# KiCad board latentpink.kicad_pcb (continued)
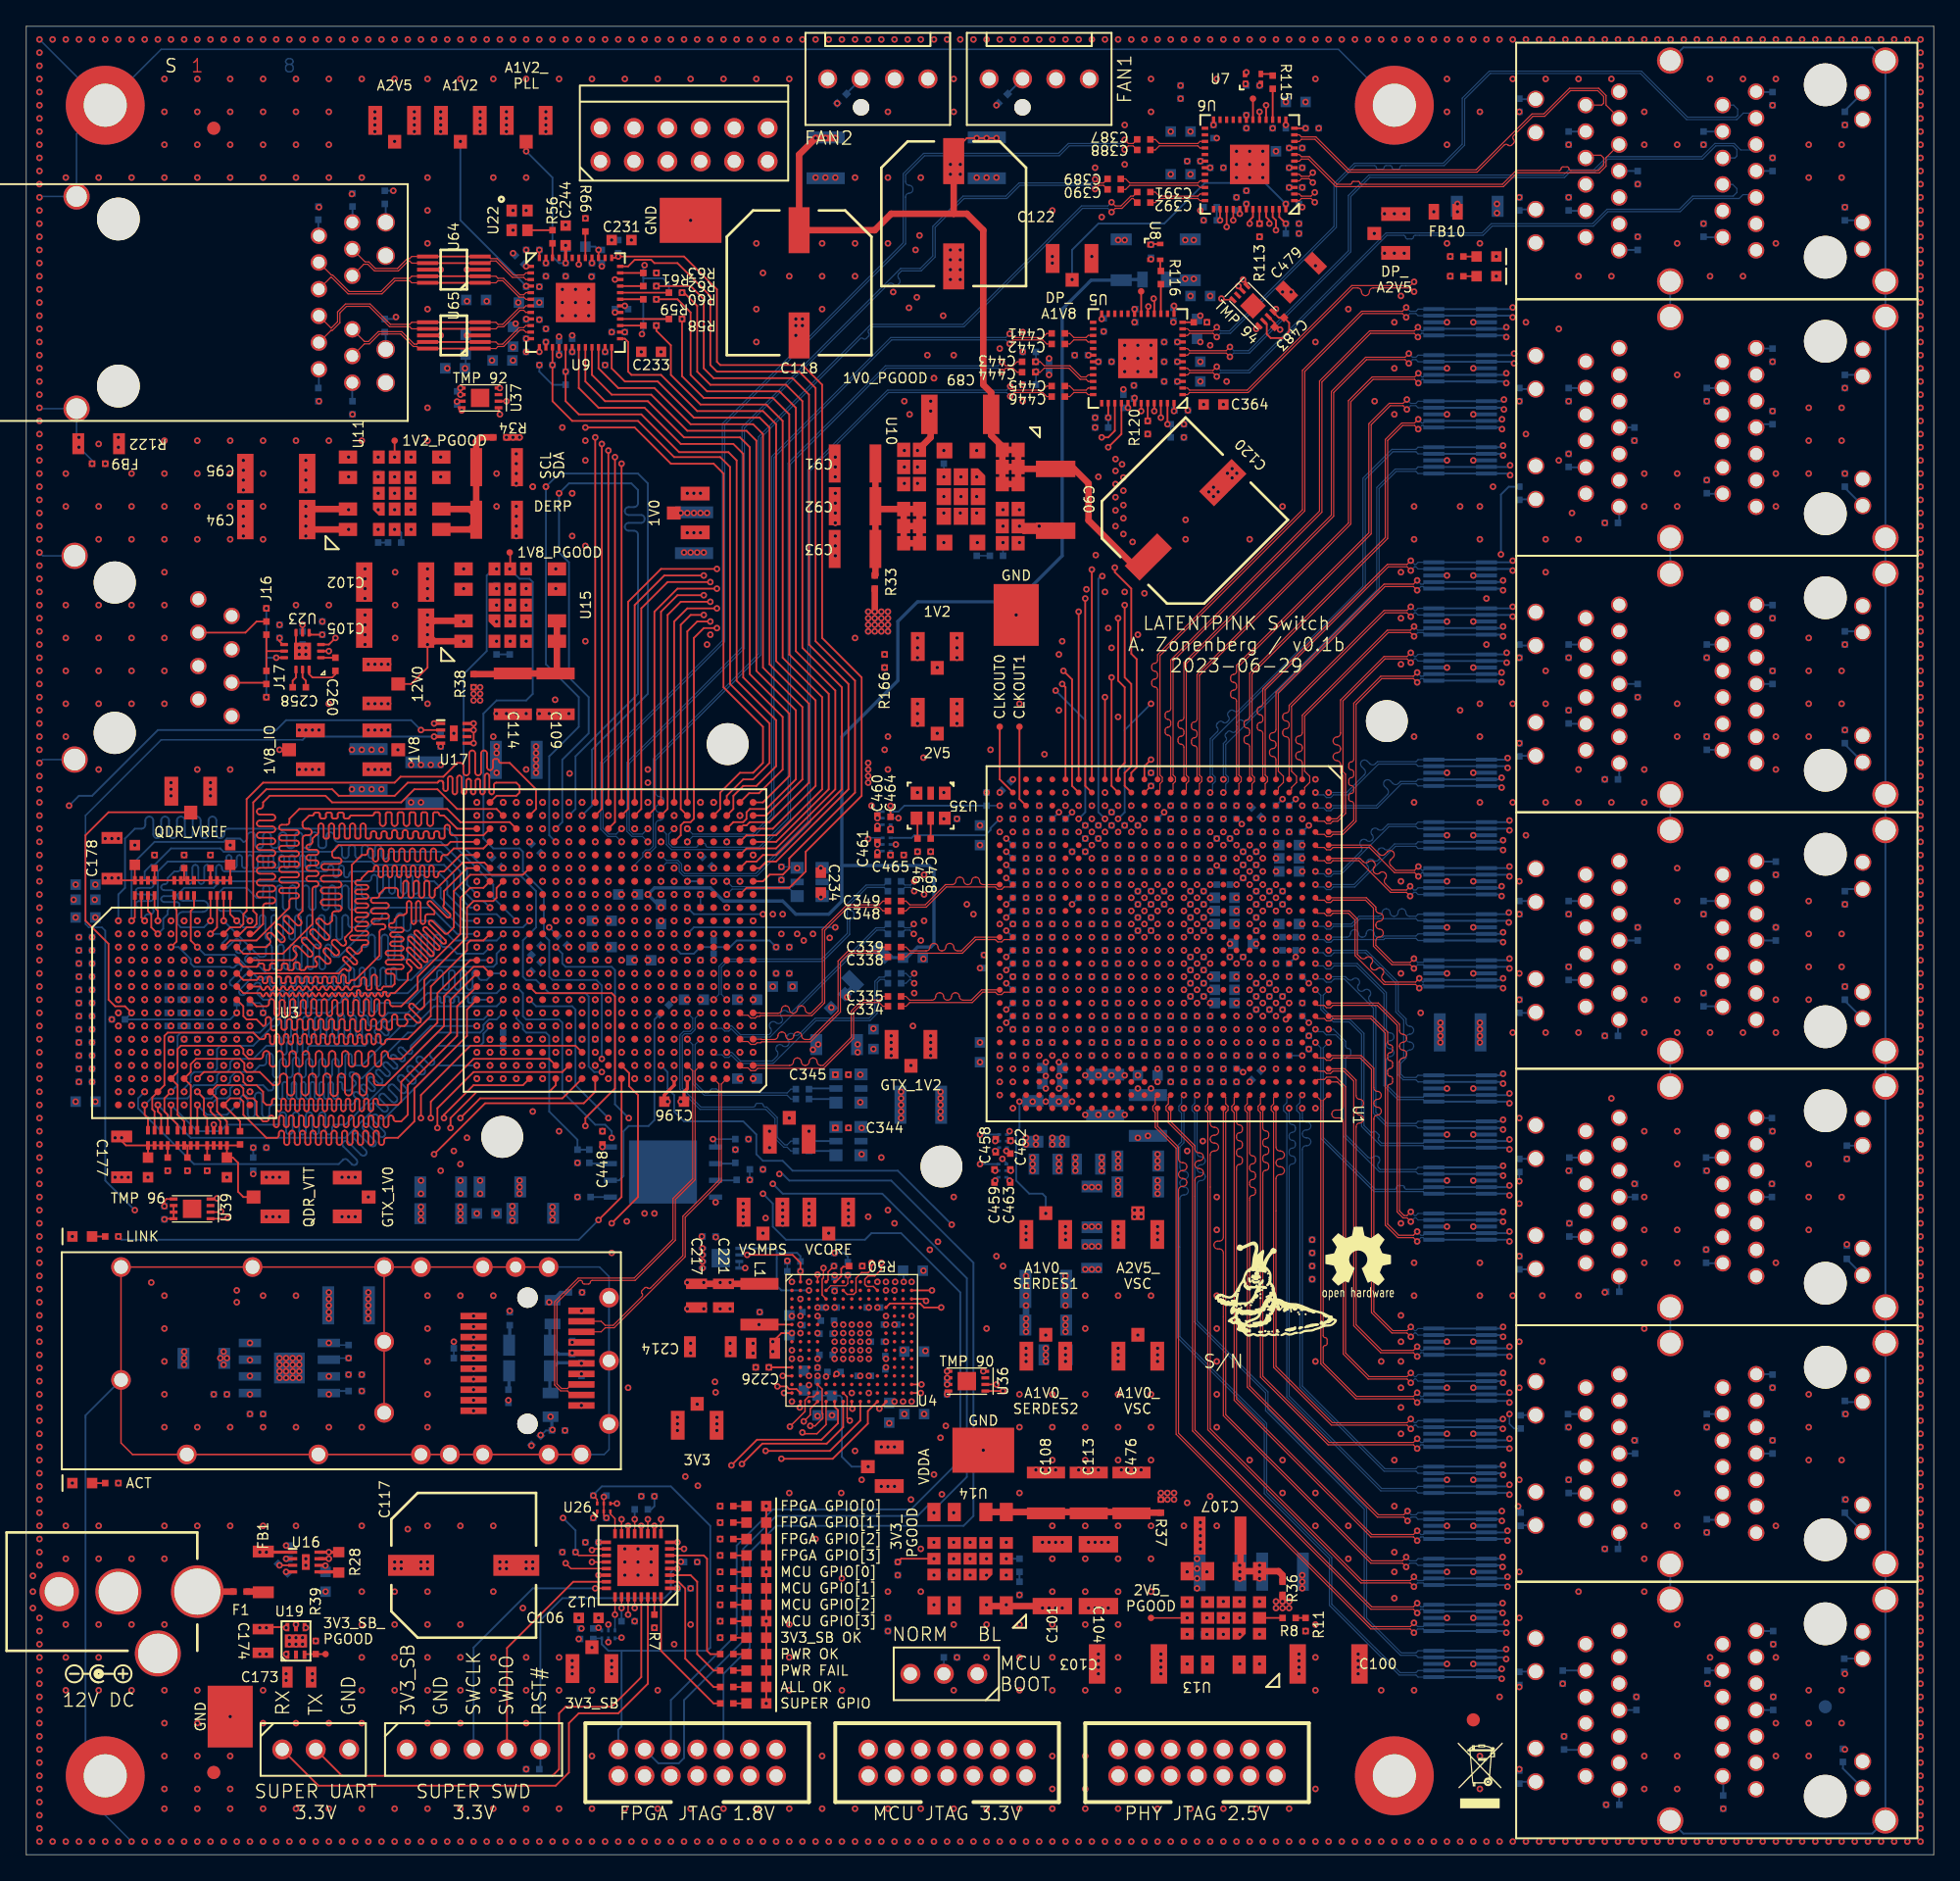
[diagram p0: board, top side]
## Routing (per net, layer and track width the routed paths; a pad name or vN(x,y) marks a point on that pad's centre or on a via; arc(x,y) is an arc through that point) (continued)
/Management/RGMII PHY/A1V2: length 17.8
  Top w0.14: U9.4 v1(38,119.25) ; U9.9 v1(38,116.75)
  In4.Cu w0.14: v1(37.4,118) 38,118 ; 38,118 v1(38,119.25) ; 38,118 v1(38,116.75) 37.55,116.75 v1(37.2,116.4)
  Bottom w0.14: v1(38,119.25) 33,124.25 v1(33,130.25)
/Management/RGMII PHY/A1V2_PLL: length 12.1
  Top w0.115: TP29.1 v1(38,129.5)
  Top w0.14: U9.44 v1(41,121)
  Top w0.25: U9.44 v1(41,122.35)
  Bottom w0.14: v1(41,121) 40.5,121 40,121.5 40,127.5 v1(38,129.5)
/Management/RGMII PHY/A2V5: length 33.7
  Top w0.14: U9.12 v1(38,115.25) ; U9.1 v1(38,120.75) ; U64.3 v1(33.5,120.5) ; v1(39.5,121) U9.47 ; U65.3 v1(33.5,115.5)
  In3.Cu w0.115: 28.5,129.75 33.25,129.75 33.5,129.5 33.5,124.5
  In3.Cu w0.14: v1(39.5,121) 39.25,120.75 v1(38,120.75) 37.75,120.5 v1(33.5,120.5) ; v1(38,115.25) 37.75,115.5 v1(33.5,115.5) v1(33.5,118.1) v1(33.5,120.5) ; v1(33.5,120.5) 33.5,124.5 ; 28.5,129.75 v1(28,130.25)
/Power Supply/1V0_EN: length 104.8
  Top w0.115: U12.11 v1(47.25,25.5)
  In2.Cu w0.115: v1(47.25,25.5) 47.25,28.75 47.75,29.25 v1(47.75,48.75) ; v1(65.5,49) 65.5,57.75 66.5,58.75 67.5,58.75 68,59.25 68,63.25 69.25,64.5 69.25,77 68.75,77.5 68.75,83.5 68.5,83.75 68.5,92.5 70.5,94.5 70.5,98.25
  In2.Cu w0.14: 70.5,98.25 70.5,105.5 69.75,106.25 v1(69.75,106.75)
  In5.Cu w0.115: v1(65.5,49) 64.5,50 56.5,50 56.25,49.75 55.5,49.75 55.25,50 49,50 v1(47.75,48.75)
/Power Supply/1V0_PGOOD: length 115.3
  Top w0.115: U12.12 v1(46.75,25)
  In2.Cu w0.115: v1(66,48) 66,54.25 68.75,57 68.75,58.75 69.75,59.75 69.75,77.5 69.25,78 69.25,81.5 70,82.25 70,93 71.5,94.5 71.5,98.5 ; v1(47,48.75) 47,29.25 46.75,29 v1(46.75,27.25) ; v1(69,112.25) 72,109.25 72,107 v1(72.25,106.75)
  In2.Cu w0.14: 71.5,98.5 71.5,106 v1(72.25,106.75)
  In5.Cu w0.115: v1(46.75,25) v1(46.75,27.25) ; v1(66,48) 66,50.25 65.75,50.5 56.5,50.5 56.25,50.75 49,50.75 v1(47,48.75)
/Power Supply/1V0_RAW: length 19.6
  Top w0.5: U10.18 U10.20 U10.17 U10.15 U10.18 ; U10.18 64.76,102.3 C92.1 ; U10.16 U10.19 ; R33.2 64.55,97.3 C93.1 C91.1
/Power Supply/1V0_SENSE: length 62.4
  In2.Cu w0.115: v1(39.75,70.5) 39.75,71.5 40.75,72.5 41.5,72.5 41.75,72.75 41.75,74.35 41.9,74.5 42.5,74.5 42.8,74.8 42.8,76.3 41.75,77.35 41.75,100 v1(41.5,100.25)
  In5.Cu w0.115: v1(69.75,99.75) 68.8,100.7 52.6,100.7 52.2,101.1 42.35,101.1 v1(41.5,100.25)
  Bottom w0.115: R35.1 v1(39.75,70.5)
/Power Supply/1V2_EN: length 139.2
  Top w0.115: U12.15 v1(45.25,25.5)
  In5.Cu w0.115: v1(26.75,106.25) 25.75,106.25 25,105.5 23.75,105.5 23.5,105.25 23.5,98.25 22.5,97.25 11,97.25 9.5,95.75 9.5,83 2.5,76 2.5,49.5 4.75,47.25 4.75,29.25 6.75,27.25 39.5,27.25 40.5,26.25 44.5,26.25 v1(45.25,25.5)
/Power Supply/1V2_PGOOD: length 141.7
  Top w0.115: U12.13 v1(46.25,25.5)
  Top w0.14: v1(28,106.25) TP1.1
  In5.Cu w0.115: v1(46.25,25.5) 46.25,26.5 45,27.75 8.25,27.75 5.5,30.5 5.5,47.5 3,50 3,76 10,83 10,95.5 11.25,96.75 23.25,96.75 25.25,98.75 25.25,104.75 26,105.5 27.75,105.5 28,105.75 v1(28,106.25)
  Bottom w0.14: v1(46.25,25.5) R16.1
/Power Supply/1V2_RAW: length 13.1
  Top w0.5: 34.2,101.2 33.75,100.75 U11.6 ; C96.1 C97.1 34.2,107.45 34.5,107.75 R34.2 ; U11.7 33.7,102.3 34.2,101.8
/Power Supply/1V2_SENSE: length 44.2
  In2.Cu w0.115: v1(42.5,92.25) v1(42.5,99.5)
  In5.Cu w0.115: v1(29.25,100.75) 30.5,99.5 v1(42.5,99.5) ; v1(42.5,92.25) 43.5,91.25 v1(65.25,91.25)
/Power Supply/1V8_EN: length 96.7
  Top w0.115: U12.10 v1(47.75,25)
  In2.Cu w0.115: v1(47.75,25) 47.75,24.65 47.5,24.4 39.8,24.4 36.5,27.7 36.5,33.2 38.75,35.45 38.75,39.75 41,42 41,47.5 43.25,49.75 43.25,59 v1(43.75,59.5)
  Bottom w0.14: v1(35.75,97.75) 35.5,97.75 35,97.25 35,91.5 33.25,89.75 33.25,76.58 35.41,74.41 37.59,74.41 38.75,73.25 38.75,70.5 37.75,69.5 37.75,66.75 38,66.5 38.75,66.5 39.75,65.5 42.5,65.5 42.75,65.25 42.75,59.92 43.17,59.5 v1(43.75,59.5)
/Power Supply/1V8_IO_EN: length 131.8
  Top w0.115: U12.26 v1(45.25,18.75)
  Top w0.14: U17.2 v1(30,85.5)
  In2.Cu w0.115: v1(3.25,79.75) 2.75,79.25 2.75,30.5 9.25,24 31.5,24 32.75,22.75 32.75,19.5 33.5,18.75 v1(37.75,18.75)
  In5.Cu w0.115: v1(37.75,18.75) v1(45.25,18.75)
  Bottom w0.14: v1(30,85.5) 29.25,86.25 19.75,86.25 19,85.5 10,85.5 5,80.5 4,80.5 v1(3.25,79.75) ; R31.1 v1(45.25,18.75)
/Power Supply/1V8_PGOOD: length 93.2
  Top w0.115: v1(41.75,23) 42,22.75 U12.19
  Top w0.14: U15.11 36.79,98.96
  In2.Cu w0.115: v1(40.8,25.6) 40.8,31 40.5,31.3 40.5,34.5 39.75,35.25 39.75,39.5 41.5,41.25 41.5,47 45.25,50.75 45.25,54.75 44.75,55.25 44.75,59.75 44,60.5 v1(43.75,60.5)
  Bottom w0.14: v1(40.8,25.6) 41.75,24.65 v1(41.75,23) ; v1(43.75,60.5) 43.75,66.08 43.33,66.5 40,66.5 39.75,66.75 39.75,69.5 39.34,69.91 39.34,73.16 37.75,74.75 37.75,76.25 37.5,76.5 35.5,76.5 34.75,77.25 34.75,86.75 35.75,87.75 38,87.75 38.5,88.25 38.5,96.75 38.25,97 37.5,97 v1(36.75,97.75)
/Power Supply/1V8_RAW: length 10.1
  Top w0.5: U15.7 40.34,89.9 ; R38.2 36.94,89.75 ; C109.1 C114.1
/Power Supply/2V5_EN: length 48
  Top w0.115: v1(49.5,23.75) U12.8
  In2.Cu w0.115: v1(49.25,16) 49,16.25 49,23.25 v1(49.5,23.75)
  In5.Cu w0.115: v1(88.25,16.75) 87.5,16 v1(49.25,16)
/Power Supply/2V5_PGOOD: length 50.9
  Top w0.115: v1(88.25,18) TP3.1
  Top w0.14: U12.20 v1(43,22.25)
  In5.Cu w0.115: v1(43,22.25) 43.5,21.75 48.25,21.75 49,21 59.5,21 62.5,18 v1(65.5,18) v1(88.25,18)
/Power Supply/2V5_RAW: length 7.2
  Top w0.5: R36.2 95.5,21.25 95.2,21.55 U13.6 U13.7 ; v1(92.25,21) 92.3,21.05 C107.1
  vias: v1(92.25,22) v1(92.25,21.5) v1(93.75,22) v1(93.75,21.5) v1(93.75,21)
/Power Supply/3V3_EN: length 21.8
  Top w0.14: U12.7 v1(50,23.25)
  In2.Cu w0.115: v1(69,21.25) 68,22.25 v1(68,23.25)
  In5.Cu w0.115: v1(50,23.25) v1(68,23.25)
  Bottom w0.14: R23.1 v1(69,21.25)
/Power Supply/3V3_PGOOD: length 30.7
  Top w0.14: v1(69,22.5) 66.5,22.5 v1(66.25,22.25) ; U12.18 43.09,23.25 v1(43,23.16)
  In5.Cu w0.115: v1(43,23.16) 43.41,22.75 51.75,22.75 52.25,22.25 53.75,22.25 54.25,22.75 68.75,22.75 v1(69,22.5)
/Power Supply/3V3_RAW: length 13.1
  Top w0.5: R37.2 84.06,26 ; U14.7 83.91,26.05
/Power Supply/3V3_SB_PGOOD: length 1.5
  Top w0.14: TP16.1 R39.1 21.2,15.25
/Power Supply/12V0_BLEED: length 1.5
  Top w0.25: U16.5 23.7,21.5
/Power Supply/12V0_EN: length 25.7
  Top w0.14: U16.2 v1(19.75,22.5) ; U12.22 v1(43.5,21.25)
  In5.Cu w0.115: v1(19.75,22.5) 21.15,21.1 43.35,21.1 v1(43.5,21.25)
  Bottom w0.14: R29.1 v1(19.75,22.5)
/Power Supply/12V0_FUSED: length 18.5
  Top w0.14: 19.8,17.3 v1(19.75,17.25) ; 18.3,17.3 U19.6 ; 21.2,17.3 v1(21.25,17.25)
  Top w0.25: v1(17.75,23) U16.1
  In3.Cu w0.14: v1(18.25,23) 17.75,22.5 v1(17.75,17.25) ; v1(17.75,17.25) v1(18.25,17.25) ; v1(17.75,17.25) v1(19.75,17.25) 19.91,17.09 21.09,17.09 v1(21.25,17.25)
  In3.Cu w0.25: v1(17.75,23) 20.75,23 v1(21.25,22.5) v1(21.25,22)
/Power Supply/12V0_RAW: length 2.8
  Top w0.5: F1.1 J6.1
/QSGMII PHY/QSGMII Power/A1V0_VSC: length 91.8
  In4.Cu w0.115: 83.5,55.5 84,56 84,59.5 84.5,60 84.5,60.81 84.94,61.25 88.25,61.25 ; v1(84.5,39.5) 82.25,41.75 82.25,48.5
  In4.Cu w0.14: v1(91,62.75) v1(91,60.75) v1(90,60.75) 90,61.25 ; v1(91,62.75) v1(90,62.75) ; v1(91,62.75) 91.5,63.25 91.5,64 91.75,64.25 92.5,64.25 v1(93,64.75) v1(95,64.75) v1(95,65.75) 93.5,65.75 ; v1(93.5,72.25) 92.75,72.25 92.5,72 92.5,71.25 ; v1(93.5,72.25) 93.5,72.75 ; v1(93.5,72.25) v1(93.5,71.25) ; 88.25,61.25 90,61.25 ; 90,61.25 v1(90,62.75) ; 82.25,48.5 81.5,49.25 v1(81.5,50.75) ; v1(92.5,76.25) 91,76.25 ; 91,76.25 91,77.25 ; 91,76.25 v1(91,75.75) ; v1(94.5,73.25) 94.5,72.75 ; 94.5,72.75 v1(95,72.75) ; 94.5,72.75 93.5,72.75 ; v1(90,62.75) 89.5,63.25 89.5,65 ; v1(90.5,77.25) 91,77.25 ; 91,77.25 v1(91,77.75) ; v1(88.5,67.25) v1(89.5,67.25) 93.5,67.25 ; 93.5,68.25 93.5,67.25 ; 93.5,68.25 v1(92.5,68.25) ; 93.5,68.25 93.5,69.5 92.5,70.5 92.5,71.25 ; 93.5,67.25 93.5,65.75 ; 92.5,71.25 v1(89.5,71.25) v1(88.5,71.25) ; v1(91,75.75) 91,73.25 ; v1(91,75.75) v1(90,75.75) v1(90,77.75) ; 91,73.25 v1(89.5,73.25) v1(88.5,73.25) ; 91,73.25 93,73.25 ; v1(95,72.75) v1(95,73.75) v1(93,73.75) 93,73.25 ; v1(95,72.75) v1(95.5,72.25) ; v1(80.5,50.75) v1(81.5,50.75) ; v1(81.5,50.75) 81.75,51 v1(81.75,52) 81.75,55 82.25,55.5 83.5,55.5 ; 93,73.25 v1(93,72.75) 93.5,72.75 ; v1(93,65.75) 93.5,65.75 ; v1(94.5,65.25) v1(95.5,65.25) ; v1(93.5,74.25) v1(94,73.75) ; v1(88.5,65.25) v1(89.5,65.25) ; v1(94,64.75) v1(93.5,64.25)
  vias: v1(81,50.75) v1(81.75,53) v1(81.75,52.5) v1(90,76.75) v1(90,61.75) v1(91,76.75) v1(91,61.75) v1(93.5,69.25) v1(93.5,66.25) v1(94,72.75) v1(94,65.75)
/QSGMII PHY/QSGMII Power/A1V0_VSC_SERDES1: length 34.1
  In3.Cu w0.14: 77.5,60.5 v1(77.5,58.25) v1(77.5,57.25) v1(79.5,57.25) ; 77.5,60.5 77.5,61.25 v1(77,61.75) v1(77,76.75) ; 77.5,60.5 v1(77.5,60.25)
  Bottom w0.14: v1(77.5,48.75) 77.5,50 77.25,50.25 76.25,50.25 75.25,51.25 75.25,55 75.5,55.25 v1(75.5,57.25) v1(77.5,57.25)
  vias: v1(76.5,57.25) v1(77,75.75) v1(77,74.75) v1(77,73.75) v1(77,72.75) v1(77,71.75) v1(77,70.75) v1(77,69.75) v1(77,68.75) v1(77,67.75) v1(77,66.75) v1(77,65.75) v1(77,64.75) v1(77,63.75) v1(77,62.75) v1(77.5,59.2) v1(78.5,57.25)
/QSGMII PHY/QSGMII Power/A1V0_VSC_SERDES2: length 47.7
  In3.Cu w0.14: 73.25,61.75 v1(76,61.75) v1(76,76.75) v1(72.5,76.75) ; 73.25,61.75 73.25,46.75 v1(76,44) v1(76,39.75) 77.25,39.75 v1(77.5,39.5) ; 73.25,61.75 v1(72.5,61.75)
  Bottom w0.5: v1(76,41.75) v1(76,40.75)
  vias: v1(76,75.75) v1(76,74.75) v1(76,73.75) v1(76,72.75) v1(76,71.75) v1(76,70.75) v1(76,69.75) v1(76,68.75) v1(76,67.75) v1(76,66.75) v1(76,65.75) v1(76,64.75) v1(76,63.75) v1(76,62.75) v1(76,43.25) v1(76,42.5) v1(76,40.25)
/QSGMII PHY/QSGMII Power/A2V5_VSC: length 78
  In3.Cu w0.115: v1(94,63.75) v1(94,62.75) 94.43,62.32 94.43,61.18 v1(94,60.75)
  In3.Cu w0.14: v1(88,77.75) v1(88,78.75) v1(88,79.75) 88.5,80.25 90.5,80.25 v1(91,79.75) 91,79.25 ; v1(84.5,59.25) v1(85.5,58.25) 86,57.75 v1(86,52.25) ; v1(84.5,59.25) v1(84.5,58.25) ; v1(84.5,59.25) 88,59.25 ; v1(94,70.75) v1(94,71.75) v1(96,71.75) 96,74.5 95.75,74.75 v1(95,74.75) ; v1(94,70.75) v1(94,67.75) ; v1(94,70.75) v1(95,70.75) ; v1(96,77.75) 96,75.75 v1(95,74.75) ; v1(96,77.75) v1(96,78.75) v1(94,78.75) 93.5,79.25 91,79.25 ; v1(96,77.75) v1(94,77.75) ; v1(95,60.75) v1(95,59.75) 93.5,59.75 93.25,60 91.75,60 91.5,59.75 v1(91,59.75) 91,59.25 ; v1(94,63.75) v1(95,63.75) ; v1(94,67.75) v1(94,66.75) v1(96,66.75) 96.5,66.25 96.5,62.5 96.18,62.18 94.43,62.18 ; v1(94,67.75) v1(95,67.75) ; v1(88,60.75) 88,59.25 ; 88,59.25 91,59.25 ; 88,59.25 v1(88,58.75) ; 91,59.25 v1(91,58.75) ; v1(84.75,49) v1(84.75,48.5) v1(84.25,48.5) v1(84.25,49) v1(84.75,49) ; v1(84.75,49) 84.75,51 v1(86,52.25) ; v1(94,75.75) v1(94,74.75) v1(95,74.75) ; 91,79.25 v1(91,78.75) ; v1(94,60.75) v1(94,59.75) ; v1(86,52.25) v1(86,53.25)
  Bottom w0.14: 85,57.75 v1(84.5,58.25) ; 85.26,58.01 v1(85.5,58.25)
  vias: v1(86,52.75) v1(88,59.75) v1(95,78.75) v1(95,77.75) v1(95,71.75) v1(95,66.75)
/CHGND: length 566.9
  Top w0.115: J2.1 J2.1 8.07,30.43 7.2,31.3 J2.1 J2.1 J2.1 ; J2.1 J2.1
  Bottom w0.115: J2.1 44.3,43.95 43.57,44.68 J2.1 ; 3.67,98.75 1.25,98.75 v1(1,99) ; v1(1,126) 1.06,126.06 J5.17 3.82,130.82 M4.1 ; M4.1 10.25,137.25 99.75,137.25 M5.1 ; M4.1 v1(1,138) ; v1(1,110) 1.06,109.94 J5.17 3.82,107.18 v1(4,107) 5,106 v1(5,105.75) ; J2.1 44.3,30.8 43.93,30.43 J2.1 ; J7.9 1.26,83.25 v1(1,83) ; v1(8,1) 6,3 M6.1
  Bottom w0.14: 124.97,119.6 124.97,118.28 ; 124.97,118.28 141.28,118.28 141.33,118.33 ; 124.97,118.28 124.97,116.9 ; 124.97,59.78 141.28,59.78 141.33,59.83 ; 124.97,59.78 J19.SHLD ; 124.97,59.78 J18.SHLD ; 141.34,20.76 141.34,19.4 ; 141.34,20.76 141.34,21.16 ; 141.34,20.76 125.09,20.76 124.97,20.88 ; 141.33,79.33 141.33,59.83 ; 141.33,79.33 141.28,79.28 124.97,79.28 ; 141.33,79.33 141.33,98.83 ; 141.33,59.83 141.33,38.9 ; 124.97,20.88 124.97,19.4 ; 124.97,20.88 J8.SHLD ; 124.97,40.28 141.28,40.28 141.34,40.33 ; 124.97,40.28 J8.SHLD ; 124.97,40.28 J18.SHLD ; 124.97,98.78 141.28,98.78 141.33,98.83 ; 124.97,98.78 124.97,100.1 ; 124.97,98.78 124.97,97.4 ; 141.34,40.33 141.34,21.16 ; 141.34,40.33 141.34,41.61 ; 141.34,21.16 141.34,22.1 ; J4.SHLD J4.SHLD 140.33,1.6 125.97,1.6 J4.SHLD ; 141.33,118.33 J22.SHLD 140.33,137.4 125.97,137.4 J22.SHLD ; 141.33,118.33 141.33,98.83 ; 4.5,7.5 4.5,33.4 J2.1 ; J2.1 J2.1 ; 124.97,79.28 J19.SHLD ; 124.97,79.28 J20.SHLD
  vias: v1(0.5,21.2) v1(0.5,20) v1(0.5,18.75) v1(1,137) v1(1,136) v1(1,135) v1(1,134) v1(1,133) v1(1,132) v1(1,131) v1(1,130) v1(1,129) v1(1,128) v1(1,127) v1(1,125) v1(1,124) v1(1,123) v1(1,122) v1(1,121) v1(1,120) v1(1,119) v1(1,118) v1(1,117) v1(1,116) v1(1,115) v1(1,114) v1(1,113) v1(1,112) v1(1,111) v1(1,109) v1(1,108) v1(1,107) v1(1,106) v1(1,105) v1(1,104) v1(1,103) v1(1,102) v1(1,101) v1(1,100) v1(1,98) v1(1,97) v1(1,96) v1(1,95) v1(1,94) v1(1,93) v1(1,92) v1(1,91) v1(1,90) v1(1,89) v1(1,88) v1(1,87) v1(1,86) v1(1,85) v1(1,84) v1(1,82) v1(1,81) v1(1,80) v1(1,79) v1(1,78) v1(1,77) v1(1,76) v1(1,75) v1(1,74) v1(1,73) v1(1,72) v1(1,71) v1(1,70) v1(1,69) v1(1,68) v1(1,67) v1(1,66) v1(1,65) v1(1,64) v1(1,63) v1(1,62) v1(1,61) v1(1,60) v1(1,59) v1(1,58) v1(1,57) v1(1,56) v1(1,55) v1(1,54) v1(1,53) v1(1,52) v1(1,51) v1(1,50) v1(1,49) v1(1,48) v1(1,47) v1(1,46) v1(1,45) v1(1,44) v1(1,43) v1(1,42) v1(1,41) v1(1,40) v1(1,39) v1(1,38) v1(1,37) v1(1,36) v1(1,35) v1(1,34) v1(1,33) v1(1,32) v1(1,31) v1(1,30) v1(1,29) v1(1,28) v1(1,27) v1(1,26) v1(1,25) v1(1,24) v1(1,23) v1(1,22) v1(1,18) v1(1,17) v1(1,16) v1(1,15) v1(1,14) v1(1,13) v1(1,12) v1(1,11) v1(1,10) v1(1,9) v1(1,8) v1(1,7) v1(1,6) v1(1,5) v1(1,4) v1(1,3) v1(1,2) v1(1,1) v1(2,138) v1(2,1) v1(3,138) v1(3,1) v1(4,138) v1(4,107.75) v1(4,1) v1(5,138) v1(5,1) v1(6,138) v1(6,1) v1(7,138) v1(7,1) v1(8,138) v1(9,138) v1(9,1) v1(10,138) v1(10,1) v1(11,138) v1(11,1) v1(12,138) v1(12,1) v1(13,138) v1(13,1) v1(14,138) v1(14,1) v1(15,138) v1(15,1) v1(16,138) v1(16,1) v1(17,138) v1(17,1) v1(18,138) v1(18,1) v1(19,138) v1(19,1) v1(20,138) v1(20,1) v1(21,138) v1(21,1) v1(22,138) v1(22,1) v1(23,138) v1(23,1) v1(24,138) v1(24,1) v1(25,138) v1(25,1) v1(26,138) v1(26,1) v1(27,138) v1(27,1) v1(28,138) v1(28,1) v1(29,138) v1(29,1) v1(30,138) v1(30,1) v1(31,138) v1(31,1) v1(32,138) v1(32,1) v1(33,138) v1(33,1) v1(34,138) v1(34,1) v1(35,138) v1(35,1) v1(36,138) v1(36,1) v1(37,138) v1(37,1) v1(38,138) v1(38,1) v1(39,138) v1(39,1) v1(40,138) v1(40,1) v1(41,138) v1(41,1) v1(42,138) v1(42,1) v1(43,138) v1(43,1) v1(44,138) v1(44,1) v1(45,138) v1(45,1) v1(46,138) v1(46,1) v1(47,138) v1(47,1) v1(48,138) v1(48,1) v1(49,138) v1(49,1) v1(50,138) v1(50,1) v1(51,138) v1(51,1) v1(52,138) v1(52,1) v1(53,138) v1(53,1) v1(54,138) v1(54,1) v1(55,138) v1(55,1) v1(56,138) v1(56,1) v1(57,138) v1(57,1) v1(58,138) v1(58,1) v1(59,138) v1(59,1) v1(60,138) v1(60,1) v1(61,138) v1(61,1) v1(62,138) v1(62,1) v1(63,138) v1(63,1) v1(64,138) v1(64,1) v1(65,138) v1(65,1) v1(66,138) v1(66,1) v1(67,138) v1(67,1) v1(68,138) v1(68,1) v1(69,138) v1(69,1) v1(70,138) v1(70,1) v1(71,138) v1(71,1) v1(72,138) v1(72,1) v1(73,138) v1(73,1) v1(74,138) v1(74,1) v1(75,138) v1(75,1) v1(76,138) v1(76,1) v1(77,138) v1(77,1) v1(78,138) v1(78,1) v1(79,138) v1(79,1) v1(80,138) v1(80,1) v1(81,138) v1(81,1) v1(82,138) v1(82,1) v1(83,138) v1(83,1) v1(84,138) v1(84,1) v1(85,138) v1(85,1) v1(86,138) v1(86,1) v1(87,138) v1(87,1) v1(88,138) v1(88,1) v1(89,138) v1(89,1) v1(90,138) v1(90,1) v1(91,138) v1(91,1) v1(92,138) v1(92,1) v1(93,138) v1(93,1) v1(94,138) v1(94,1) v1(95,138) v1(95,1) v1(96,138) v1(96,1) v1(97,138) v1(97,1) v1(98,138) v1(98,1) v1(99,138) v1(99,1) v1(100,138) v1(100,1) v1(101,138) v1(101,1) v1(102,138) v1(102,1) v1(103,138) v1(103,1) v1(104,138) v1(104,1) v1(105,138) v1(105,1) v1(106,138) v1(106,1) v1(107,138) v1(107,1) v1(108,138) v1(108,1) v1(109,138) v1(109,1) v1(110,138) v1(110,1) v1(111,138) v1(111,1) v1(112,138) v1(112,1) v1(113,138) v1(113,1) v1(114,138) v1(114,1) v1(115,138) v1(115,1) v1(116,138) v1(116,1) v1(117,138) v1(117,1) v1(118,138) v1(118,1) v1(119,138) v1(119,1) v1(120,138) v1(120,1) v1(121,138) v1(121,1) v1(122,138) v1(122,1) v1(123,138) v1(123,1) v1(124,138) v1(124,1) v1(125,138) v1(125,1) v1(126,138) v1(126,1) v1(127,138) v1(127,1) v1(128,138) v1(128,1) v1(129,138) v1(129,1) v1(130,138) v1(130,1) v1(131,138) v1(131,1) v1(132,138) v1(132,1) v1(133,138) v1(133,1) v1(134,138) v1(134,1) v1(135,138) v1(135,1) v1(136,138) v1(136,1) v1(137,138) v1(137,1) v1(138,138) v1(138,1) v1(139,138) v1(139,1) v1(140,138) v1(140,1) v1(141,138) v1(141,1) v1(142,138) v1(142,1) v1(143,138) v1(143,1) v1(144,138) v1(144,137) v1(144,136) v1(144,135) v1(144,134) v1(144,133) v1(144,132) v1(144,131) v1(144,130) v1(144,129) v1(144,128) v1(144,127) v1(144,126) v1(144,125) v1(144,124) v1(144,123) v1(144,122) v1(144,121) v1(144,120) v1(144,119) v1(144,118) v1(144,117) v1(144,116) v1(144,115) v1(144,114) v1(144,113) v1(144,112) v1(144,111) v1(144,110) v1(144,109) v1(144,108) v1(144,107) v1(144,106) v1(144,105) v1(144,104) v1(144,103) v1(144,102) v1(144,101) v1(144,100) v1(144,99) v1(144,98) v1(144,97) v1(144,96) v1(144,95) v1(144,94) v1(144,93) v1(144,92) v1(144,91) v1(144,90) v1(144,89) v1(144,88) v1(144,87) v1(144,86) v1(144,85) v1(144,84) v1(144,83) v1(144,82) v1(144,81) v1(144,80) v1(144,79) v1(144,78) v1(144,77) v1(144,76) v1(144,75) v1(144,74) v1(144,73) v1(144,72) v1(144,71) v1(144,70) v1(144,69) v1(144,68) v1(144,67) v1(144,66) v1(144,65) v1(144,64) v1(144,63) v1(144,62) v1(144,61) v1(144,60) v1(144,59) v1(144,58) v1(144,57) v1(144,56) v1(144,55) v1(144,54) v1(144,53) v1(144,52) v1(144,51) v1(144,50) v1(144,49) v1(144,48) v1(144,47) v1(144,46) v1(144,45) v1(144,44) v1(144,43) v1(144,42) v1(144,41) v1(144,40) v1(144,39) v1(144,38) v1(144,37) v1(144,36) v1(144,35) v1(144,34) v1(144,33) v1(144,32) v1(144,31) v1(144,30) v1(144,29) v1(144,28) v1(144,27) v1(144,26) v1(144,25) v1(144,24) v1(144,23) v1(144,22) v1(144,21) v1(144,20) v1(144,19) v1(144,18) v1(144,17) v1(144,16) v1(144,15) v1(144,14) v1(144,13) v1(144,12) v1(144,11) v1(144,10) v1(144,9) v1(144,8) v1(144,7) v1(144,6) v1(144,5) v1(144,4) v1(144,3) v1(144,2) v1(144,1)
/FPGA/FPGA_DONE: length 65.6
  Top w0.115: U26.4 v1(44.9,26.7)
  In2.Cu w0.115: v1(45.65,48.15) 45.65,37.15 44.75,36.25 44.75,34.25 45.5,33.5 45.5,30.7 44.9,30.1 v1(44.9,26.7) ; v1(56,71.5) 56,65.25 57.75,63.5 57.75,57.75 59,56.5 59,55.5 57.75,54.25 57.75,51 56.2,49.45 v1(56.2,48.4)
  In5.Cu w0.115: v1(56.2,48.4) 55.2,47.4 53.8,47.4 53.05,48.15 v1(45.65,48.15)
  Bottom w0.14: v1(50.25,72) 50.75,71.5 v1(56,71.5)
/FPGA/FPGA_FLASH_SCK: length 15.5
  Bottom w0.14: U28.6 45.06,51.27 45.4,51.6 45.4,55 45.8,55.4 47.3,55.4 47.75,55.85 47.75,63.5 R43.1
/FPGA/FPGA_INIT: length 77.2
  In2.Cu w0.115: v1(45.25,16.5) 47.15,14.6 52.2,14.6 58.6,21 58.6,33.24 59.2,33.84 59.2,34.16 58.6,34.76 58.6,36.2 57.8,37 57.8,42 58.6,42.8 58.6,44 58.4,44.2 58.4,50.65 60.25,52.5 60.25,56 58.4,57.85 58.4,63.65 57.5,64.55 57.5,68.5 v1(57,69)
  Bottom w0.115: U27.4 45.2,16.45 v1(45.25,16.5)
  Bottom w0.14: v1(49.25,69) 49.75,68.5 50.75,68.5 51.25,69 53.5,69 54,69.5 56.5,69.5 v1(57,69)
/FPGA/FPGA_JTAG_TCK: length 92.6
  In2.Cu w0.115: v1(49.25,68) 48.75,67.5 48.75,65.75 49,65.5 52.5,65.5 52.75,65.25 52.75,57.75 55.5,55 55.5,50.75 v1(56,50.25)
  Bottom w0.14: J9.6 49,11.75 54,16.75 54,23.5 56.75,26.25 67.25,26.25 71,30 71,42.75 66.5,47.25 64.25,47.25 63.75,46.75 57.75,46.75 56.75,47.75 56.75,49.5 v1(56,50.25)
/FPGA/FPGA_JTAG_TDI: length 92.1
  In2.Cu w0.115: v1(57.25,51.75) 57.25,55.75 54.75,58.25 54.75,67.15 54.3,67.6 50.65,67.6 v1(50.25,68)
  Bottom w0.14: J9.10 53,13.75 55,15.75 55,23 57,25 71.25,25 72,25.75 72,45 65.75,51.25 58,51.25 57.5,51.75 v1(57.25,51.75)
/FPGA/FPGA_JTAG_TDO: length 71.7
  In2.Cu w0.115: v1(58,67) 60.75,64.25 60.75,48.15 59.5,46.9 59.5,44.19 59.9,43.79 59.9,42.3 59.5,41.9 59.5,37.5 58.9,36.9 58.9,35.5 60.7,33.7 60.7,9.4 58.3,7 52,7 J9.8
/FPGA/FPGA_JTAG_TMS: length 96.6
  In2.Cu w0.115: v1(56.75,51) 56.75,52.5 55.75,53.5 55.75,55.75 53.75,57.75 53.75,66.25 53.5,66.5 50,66.5 49.75,66.75 49.75,68.5 v1(50.25,69)
  Bottom w0.14: J9.4 48.05,6.95 49.6,6.95 50,7.35 50,11.75 54.5,16.25 54.5,23.25 57,25.75 67.75,25.75 68.5,26.5 69.28,26.5 71.5,28.72 71.5,43.82 65.07,50.25 57.5,50.25 v1(56.75,51)
/FPGA/FPGA_RST_N: length 89.3
  Top w0.115: U12.9 v1(48.25,25.5)
  In2.Cu w0.115: v1(72.8,68.4) 72.9,68.3 72.9,50.5 71.32,48.92 71.32,29.32 69.6,27.6 v1(69.6,27.4)
  In5.Cu w0.115: v1(61.5,70.5) 63.03,68.97 72.22,68.97 v1(72.8,68.4) ; v1(69.6,27.4) 68.2,26 48.75,26 v1(48.25,25.5)
  Bottom w0.14: v1(50.25,70) 50.75,70.5 v1(61.5,70.5)
/FPGA/FPGA_TDO: length 7.2
  In5.Cu w0.115: v1(57,67) 56.5,67.5 50.75,67.5 v1(50.25,67)
/FPGA/GTX_1V0: length 57.4
  Top w0.25: C196.1 50,58 50.25,58.25 v1(50.25,59)
  In3.Cu w0.115: 50.75,61.5 v1(50.25,61) ; 50.75,61.5 50.75,63.5 ; 50.75,61.5 50.75,59.5 v1(50.25,59) 49.5,58.25 ; 50.75,63.5 v1(50.25,63) ; 50.75,63.5 50.75,64.5 v1(50.25,65) ; v1(49.75,57.25) 49.75,58 49.5,58.25 ; 49.5,58.25 48,58.25 46.75,57 46.75,51 45,49.25 v1(40,49.25)
  In5.Cu w0.115: v1(50.25,59) 49.5,58.25 41.75,58.25 39.25,55.75 39.25,54.25 35.75,50.75 26.75,50.75 v1(26,50)
  vias: v1(40,48.75) v1(40,48.25)
/FPGA/GTX_1V2: length 30.8
  In4.Cu w0.115: 54.75,63 54.75,64.75 54.5,65 v1(54.25,65) ; 54.75,63 v1(54.25,63) ; 54.75,63 54.75,61 ; 58.55,64.55 59.4,63.7 63.3,63.7 64.15,64.55 ; 54.75,61 v1(54.25,61) ; 54.75,61 54.75,59.5 U2.A2
  In4.Cu w0.14: v1(67.25,60) 67.25,62.35 65.05,64.55 64.15,64.55 ; v1(59.8,61.2) v1(60.2,61.6) 60.2,61 59.7,60.5 54.75,60.5 ; 54.75,64.55 58.55,64.55
  vias: v1(54.3,59)
/FPGA/GTX_1V8: length 23.4
  In3.Cu w0.115: 57.95,65.2 57.95,56.05 v1(58,56) ; v1(52.25,67) 52.75,67.5 57.25,67.5 57.5,67.25 57.5,66.75 v1(56.75,66)
  In3.Cu w0.14: v1(56.75,66) 57,66 57.8,65.2 v1(62.4,65.2)
  Bottom w0.25: 62.23,65.37 v1(62.4,65.2) ; 62.81,66.01 C201.1
/FPGA/QDR SRAM/FPGA_FLASH_CS_N: length 26.8
  In5.Cu w0.115: v1(45.8,56) 50.6,56 v1(52.2,54.4)
  Bottom w0.115: R129.1 v1(52.2,54.4)
  Bottom w0.14: U28.1 52.4,54.2 v1(52.2,54.4) ; v1(45.8,56) 44.75,57.05 44.75,67.25 44.5,67.5 41,67.5 40.75,67.75 40.75,68.5 v1(40.25,69)
/FPGA/QDR SRAM/FPGA_FLASH_DQ0: length 23.2
  Top w0.14: U2.H18 38.75,65.5 44.5,65.5 44.75,65.25 44.75,58.25 42.5,56 v1(42.5,55.4)
  In2.Cu w0.115: v1(41.9,50) 42.5,50.6 v1(42.5,55.4)
/FPGA/QDR SRAM/FPGA_FLASH_DQ1: length 26.2
  In5.Cu w0.115: v1(53.9,53.6) 45.4,53.6 v1(44.5,54.5)
  Bottom w0.14: v1(37.25,66) 37.75,65.5 37.75,63.75 38,63.5 40.5,63.5 40.75,63.25 40.75,58 43.25,55.5 44,55.5 44.5,55 v1(44.5,54.5)
/FPGA/QDR SRAM/FPGA_FLASH_DQ2: length 27.9
  In5.Cu w0.115: v1(55,51.3) 55,53.25 54,54.25 53.5,54.25 53.25,54 46.25,54 v1(44.25,56)
  Bottom w0.115: R128.1 v1(55,51.3)
  Bottom w0.14: v1(38.25,65) 38.75,64.5 41.5,64.5 41.75,64.25 41.75,58.5 v1(44.25,56)
/FPGA/QDR SRAM/FPGA_FLASH_DQ3: length 14.1
  Bottom w0.14: v1(37.25,64) 37.25,63.58 37.75,63.08 37.75,62.75 38,62.5 39.5,62.5 39.75,62.25 39.75,56.5 41.9,54.35 R127.1 R125.2
/FPGA/QDR SRAM/I2C_DERP_SCL: length 65
  Bottom w0.14: v1(42.25,79) 43,79.75 43,84 47.25,88.25 47.25,104.25 46.5,105 40.5,105 v1(39.5,104) 39.5,90.5 42,88 42,85.75 39.75,83.5 39.75,77.5 v1(40.25,77)
/FPGA/QDR SRAM/I2C_DERP_SDA: length 64.9
  Bottom w0.14: v1(41.25,79) 41.75,79.5 41.75,83.5 46.5,88.25 46.5,100.35 arc(46.41,100.56) 46.2,100.65 45.8,100.65 arc(45.59,100.74) 45.5,100.95 arc(45.59,101.16) 45.8,101.25 46.75,101.25 arc(46.93,101.32) 47,101.5 47,101.6 arc(46.93,101.78) 46.75,101.85 45.8,101.85 arc(45.59,101.94) 45.5,102.15 arc(45.59,102.36) 45.8,102.45 46.2,102.45 arc(46.41,102.54) 46.5,102.75 46.5,103.75 46,104.25 41.25,104.25 v1(40.5,103.5) 40.5,99 41.25,98.25 41.25,89.5 42.75,88 42.75,85.25 40.75,83.25 40.75,78.5 v1(40.25,78)
/FPGA/QDR SRAM/QDR_A0: length 49.1
  Top w0.14: v1(15,71) RN1.7
  Bottom w0.14: v1(15,71) 17.75,68.25 18,68.25 arc(18.16,68.32) 18.23,68.47 18.23,68.97 arc(18.29,69.13) 18.45,69.2 arc(18.61,69.13) 18.67,68.97 18.67,67.53 arc(18.74,67.37) 18.9,67.3 arc(19.06,67.37) 19.12,67.53 19.12,68.97 arc(19.19,69.13) 19.35,69.2 arc(19.51,69.13) 19.58,68.97 19.58,67.53 arc(19.64,67.37) 19.8,67.3 arc(19.96,67.37) 20.02,67.53 20.02,68.97 arc(20.09,69.13) 20.25,69.2 arc(20.41,69.13) 20.48,68.97 20.48,67.53 arc(20.54,67.37) 20.7,67.3 arc(20.86,67.37) 20.92,67.53 20.92,68.97 arc(20.99,69.13) 21.15,69.2 arc(21.31,69.13) 21.38,68.97 21.38,67.53 arc(21.44,67.37) 21.6,67.3 arc(21.76,67.37) 21.83,67.53 21.83,68.97 arc(21.89,69.13) 22.05,69.2 arc(22.21,69.13) 22.27,68.97 22.27,67.53 arc(22.34,67.37) 22.5,67.3 arc(22.66,67.37) 22.73,67.53 22.73,68.97 arc(22.79,69.13) 22.95,69.2 arc(23.11,69.13) 23.17,68.97 23.17,68.47 arc(23.24,68.32) 23.4,68.25 23.75,68.25 26.5,71 26.75,71 arc(26.94,71.08) 27.03,71.28 27.03,71.3 arc(27.11,71.5) 27.3,71.58 arc(27.49,71.5) 27.58,71.3 27.58,70.5 arc(27.66,70.3) 27.85,70.22 arc(28.04,70.3) 28.12,70.5 28.12,71.3 arc(28.21,71.5) 28.4,71.58 arc(28.59,71.5) 28.67,71.3 28.67,70.5 arc(28.76,70.3) 28.95,70.22 arc(29.14,70.3) 29.22,70.5 29.22,70.72 arc(29.31,70.92) 29.5,71 31,71 32.5,69.5 35.75,69.5 v1(36.25,70)
/FPGA/QDR SRAM/QDR_A1: length 50.2
  Top w0.14: v1(10,70) 9.5,70.5 9.5,71.5 9.25,71.75 RN2.7
  Bottom w0.14: v1(36.25,71) 35.75,71.5 33.5,71.5 32,73 32,74 31.25,74.75 24.75,74.75 arc(24.61,74.69) 24.55,74.55 24.55,74.49 arc(24.49,74.35) 24.35,74.29 arc(24.21,74.35) 24.15,74.49 24.15,75.01 arc(24.09,75.15) 23.95,75.21 arc(23.81,75.15) 23.75,75.01 23.75,74.49 arc(23.69,74.35) 23.55,74.29 arc(23.41,74.35) 23.35,74.49 23.35,75.01 arc(23.29,75.15) 23.15,75.21 arc(23.01,75.15) 22.95,75.01 22.95,74.95 arc(22.89,74.81) 22.75,74.75 15.1,74.75 arc(14.94,74.82) 14.88,74.97 14.88,75.03 arc(14.81,75.18) 14.65,75.25 arc(14.49,75.18) 14.42,75.03 14.42,74.12 arc(14.36,73.97) 14.2,73.9 arc(14.04,73.97) 13.98,74.12 13.98,75.03 arc(13.91,75.18) 13.75,75.25 arc(13.59,75.18) 13.52,75.03 13.52,74.03 arc(13.46,73.87) 13.3,73.8 arc(13.14,73.87) 13.08,74.03 13.08,75.03 arc(13.01,75.18) 12.85,75.25 arc(12.69,75.18) 12.62,75.03 12.62,74.03 arc(12.56,73.87) 12.4,73.8 arc(12.24,73.87) 12.17,74.03 12.17,75.03 arc(12.11,75.18) 11.95,75.25 arc(11.79,75.18) 11.73,75.03 11.73,74.97 arc(11.66,74.82) 11.5,74.75 11.25,74.75 10.75,74.25 10.75,74 arc(10.68,73.84) 10.52,73.78 10.48,73.78 arc(10.32,73.71) 10.25,73.55 arc(10.32,73.39) 10.48,73.33 11.02,73.33 arc(11.18,73.26) 11.25,73.1 arc(11.18,72.94) 11.02,72.88 10.48,72.88 arc(10.32,72.81) 10.25,72.65 arc(10.32,72.49) 10.48,72.42 11.42,72.42 arc(11.58,72.36) 11.65,72.2 arc(11.58,72.04) 11.42,71.97 10.98,71.97 arc(10.82,71.91) 10.75,71.75 10.75,71.5 10.41,71.16 10.41,70.41 v1(10,70)